# KiCad board e-tkt.kicad_pcb (continued)
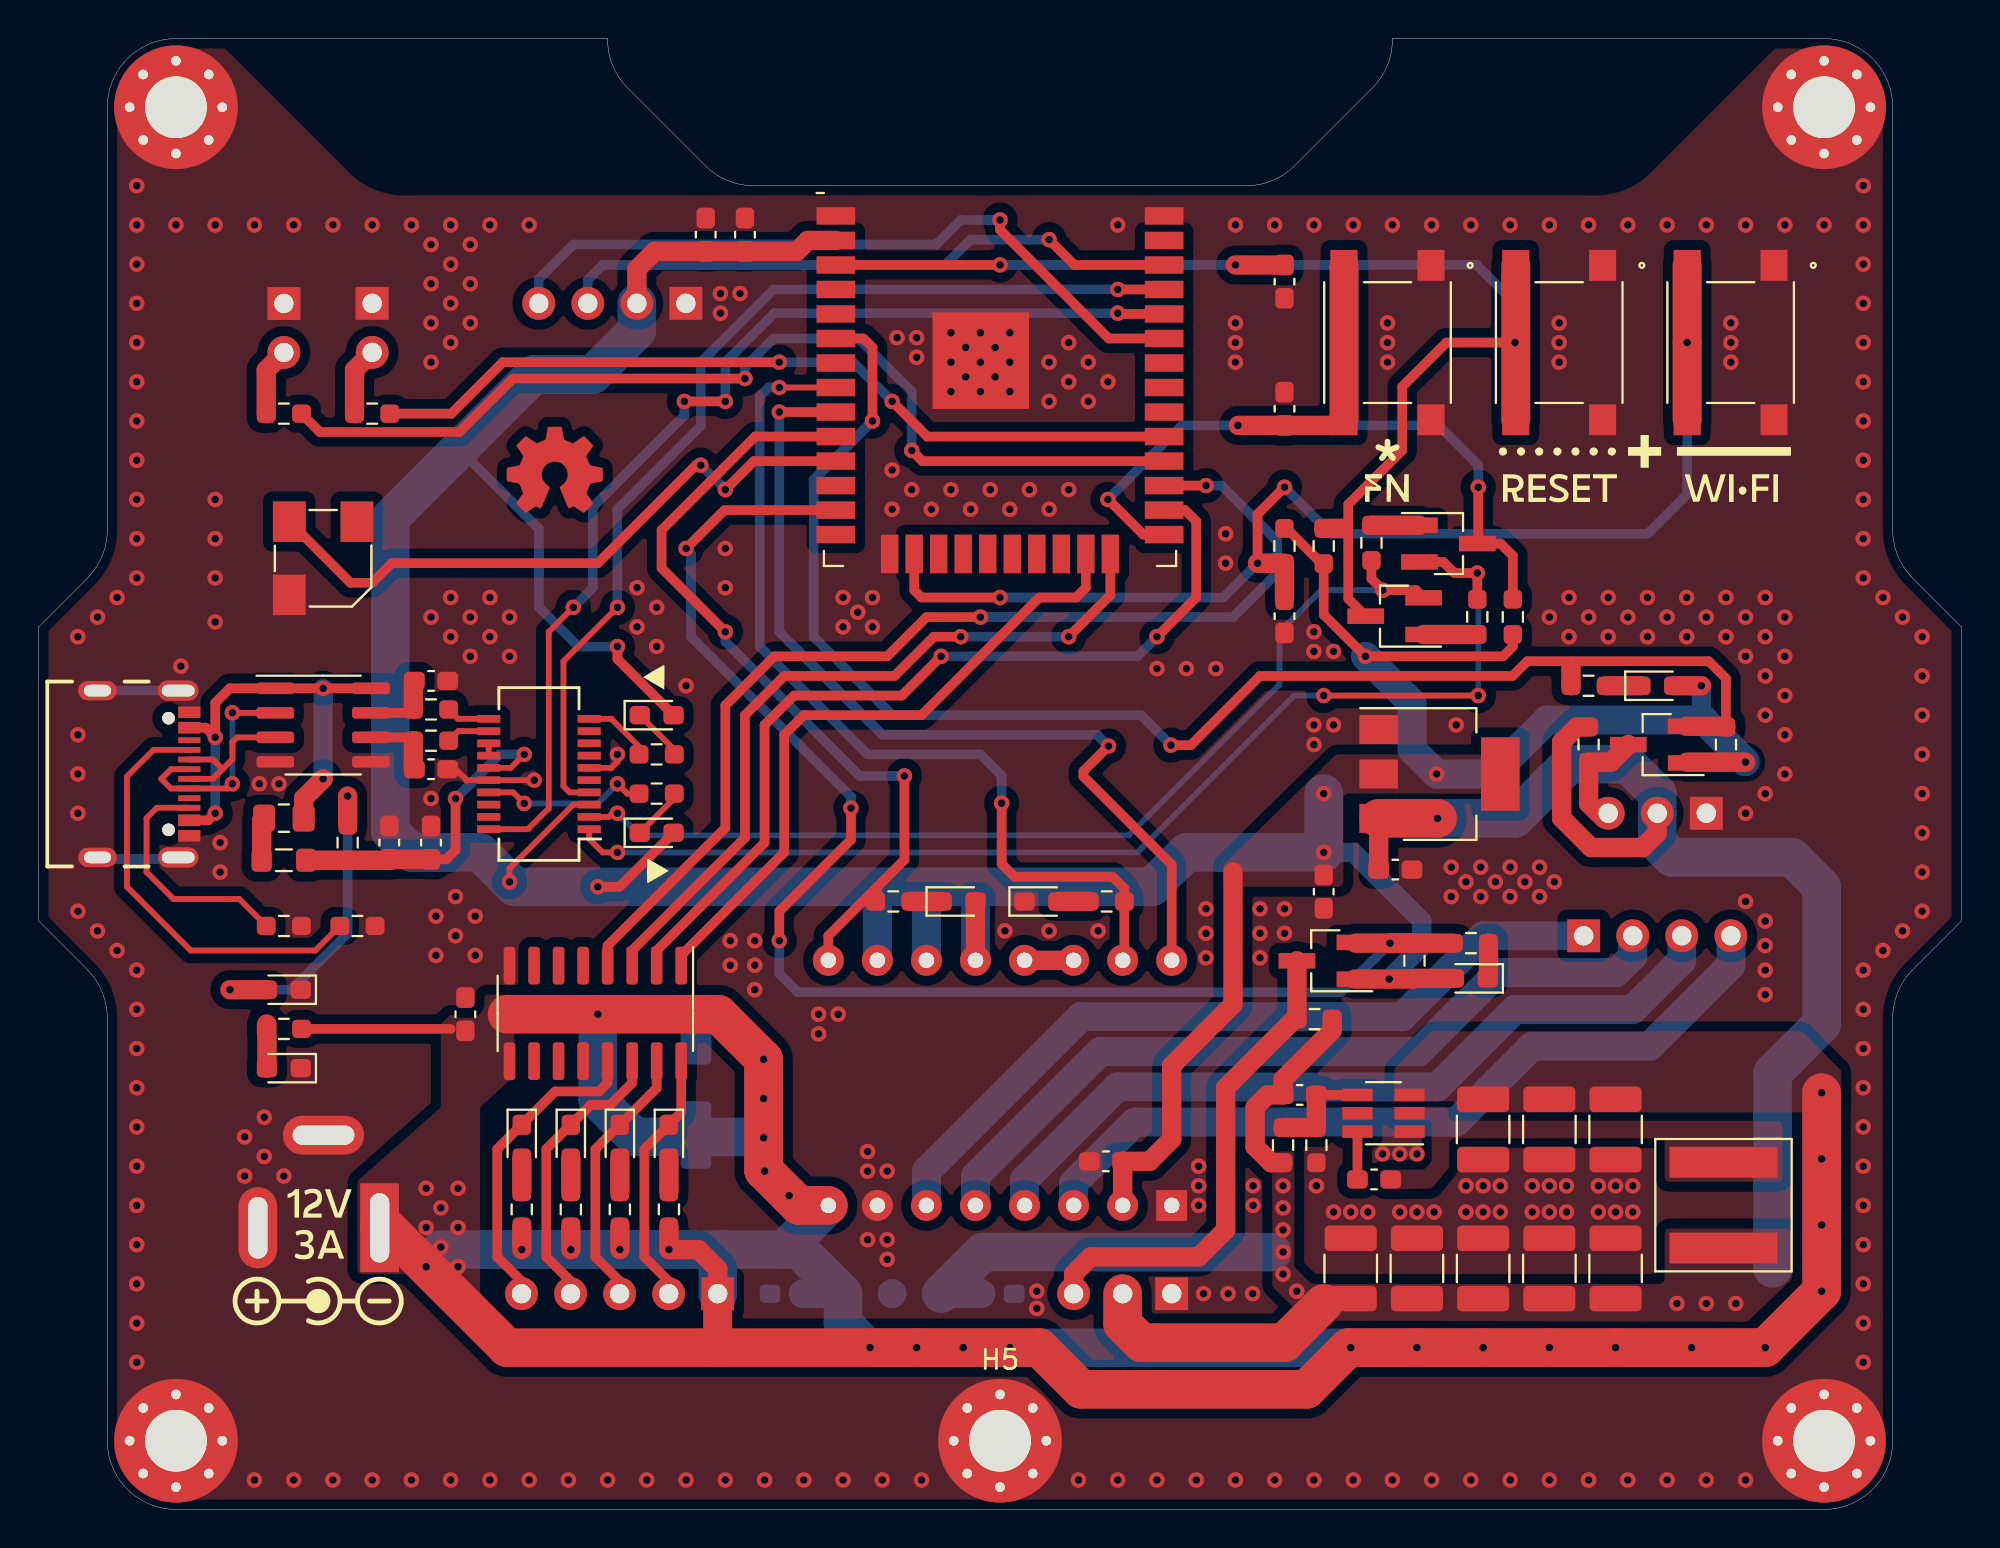
[diagram p0: board, top side]
## Footprints (pads in the part's own frame, mm; a bottom-side part is the same pattern mirrored in y, then rotated)
B3FS-1000
  rect 1.6x1.4 smd: 1(-4,2.25) 2(4,2.25) 3(-4,-2.25) 4(4,-2.25)
BarrelJack_GCT_DCJ200-10-A_Horizontal
  rect 4.6x2 hole 3.6x1: 1(0,0)
  oval 4.2x2 hole 3.2x1: 2(0,-6.3)
  oval 2x4.2 hole 1x3.2: 3(4.8,-2.9)
C_0603_1608Metric_Pad1.08x0.95mm_HandSolder
  rrect 1.075x0.95 smd: 1(-0.863,0) 2(0.863,0)
C_1210_3225Metric_Pad1.33x2.70mm_HandSolder
  rrect 1.325x2.7 smd: 1(-1.562,0) 2(1.562,0)
CP_Elec_6.3x7.7
  rrect 3.5x1.6 smd: 1(-2.7,0) 2(2.7,0)
CUI_CSS-0575A-SMT
  rect 2.1x1.7 smd: (-1.9,1.75) 1(-1.9,-1.75) 2(1.9,-1.75)
ESP32-WROOM-32
  rect 2x0.9 smd: 1(-8.5,8.255) 2(-8.5,6.985) 3(-8.5,5.715) 4(-8.5,4.445) 5(-8.5,3.175) 6(-8.5,1.905) 7(-8.5,0.635) 8(-8.5,-0.635) 9(-8.5,-1.905) 10(-8.5,-3.175) 11(-8.5,-4.445) 12(-8.5,-5.715) 13(-8.5,-6.985) 14(-8.5,-8.255) 25(8.5,-8.255) 26(8.5,-6.985) 27(8.5,-5.715) 28(8.5,-4.445) 29(8.5,-3.175) 30(8.5,-1.905) 31(8.5,-0.635) 32(8.5,0.635) 33(8.5,1.905) 34(8.5,3.175) 35(8.5,4.445) 36(8.5,5.715) 37(8.5,6.985) 38(8.5,8.255)
  rect 0.9x2 smd: 15(-5.715,-9.255) 16(-4.445,-9.255) 17(-3.175,-9.255) 18(-1.905,-9.255) 19(-0.635,-9.255) 20(0.635,-9.255) 21(1.905,-9.255) 22(3.175,-9.255) 23(4.445,-9.255) 24(5.715,-9.255)
  rect 5x5 smd: 39(-1,0.755)
Fuse_0805_2012Metric_Pad1.15x1.40mm_HandSolder
  rrect 1.15x1.4 smd: 1(-1.025,0) 2(1.025,0)
GCT_USB4105-GF-A
  round 0.65 hole 0.65 unplated: (-2.89,3.68) (2.89,3.68)
  rect 0.6x1.15 smd: A1_B12(-3.2,4.755) A4_B9(-2.4,4.755) B1_A12(3.2,4.755) B4_A9(2.4,4.755)
  rect 0.3x1.15 smd: A5(-1.25,4.755) A6(-0.25,4.755) A7(0.25,4.755) A8(1.25,4.755) B5(1.75,4.755) B6(0.75,4.755) B7(-0.75,4.755) B8(-1.75,4.755)
  oval 1.05x2.1 hole 0.6x1.7: S1(-4.32,4.18) S4(4.32,4.18)
  oval 1x2 hole 0.6x1.4: S2(-4.32,0) S3(4.32,0)
L_0805_2012Metric_Pad1.05x1.20mm_HandSolder
  rrect 1.05x1.2 smd: 1(-1.15,0) 2(1.15,0)
LED_0603_1608Metric_Pad1.05x0.95mm_HandSolder
  rrect 1.05x0.95 smd: 1(-0.875,0) 2(0.875,0)
MountingHole_3.2mm_M3_Pad_Via
  round 0.8 hole 0.5: 1(-2.4,0) 1(-1.697,1.697) 1(-1.697,-1.697) 1(0,2.4) 1(0,-2.4) 1(1.697,1.697) 1(1.697,-1.697) 1(2.4,0)
  round 6.4 hole 3.2: 1(0,0)
PinHeader_1x02_P2.54mm_Vertical
  rect 1.7x1.7 hole 1: 1(0,0)
  oval 1.7x1.7 hole 1: 2(0,-2.54)
PinHeader_1x03_P2.54mm_Vertical
  rect 1.7x1.7 hole 1: 1(0,0)
  oval 1.7x1.7 hole 1: 2(0,-2.54) 3(0,-5.08)
PinHeader_1x04_P2.54mm_Horizontal
  rect 1.7x1.7 hole 1: 1(0,0)
  oval 1.7x1.7 hole 1: 2(0,-2.54) 3(0,-5.08) 4(0,-7.62)
PinHeader_1x04_P2.54mm_Vertical
  rect 1.7x1.7 hole 1: 1(0,0)
  oval 1.7x1.7 hole 1: 2(0,-2.54) 3(0,-5.08) 4(0,-7.62)
PinHeader_1x05_P2.54mm_Vertical
  rect 1.7x1.7 hole 1: 1(0,0)
  oval 1.7x1.7 hole 1: 2(0,-2.54) 3(0,-5.08) 4(0,-7.62) 5(0,-10.16)
Pololu_Breakout-16_15.2x20.3mm
  rect 1.6x1.6 hole 0.8: 1(0,0)
  oval 1.6x1.6 hole 0.8: 2(0,-2.54) 3(0,-5.08) 4(0,-7.62) 5(0,-10.16) 6(0,-12.7) 7(0,-15.24) 8(0,-17.78) 9(12.7,-17.78) 10(12.7,-15.24) 11(12.7,-12.7) 12(12.7,-10.16) 13(12.7,-7.62) 14(12.7,-5.08) 15(12.7,-2.54) 16(12.7,0)
R_0603_1608Metric_Pad0.98x0.95mm_HandSolder
  rrect 0.975x0.95 smd: 1(-0.912,0) 2(0.912,0)
SOIC-8_3.9x4.9mm_P1.27mm
  rrect 1.95x0.6 smd: 1(-2.475,1.905) 2(-2.475,0.635) 3(-2.475,-0.635) 4(-2.475,-1.905) 5(2.475,-1.905) 6(2.475,-0.635) 7(2.475,0.635) 8(2.475,1.905)
SOIC-16_3.9x9.9mm_P1.27mm
  rrect 1.95x0.6 smd: 1(-2.475,4.445) 2(-2.475,3.175) 3(-2.475,1.905) 4(-2.475,0.635) 5(-2.475,-0.635) 6(-2.475,-1.905) 7(-2.475,-3.175) 8(-2.475,-4.445) 9(2.475,-4.445) 10(2.475,-3.175) 11(2.475,-1.905) 12(2.475,-0.635) 13(2.475,0.635) 14(2.475,1.905) 15(2.475,3.175) 16(2.475,4.445)
SOT-23-6_Handsoldering
  rect 1.56x0.65 smd: 1(-1.35,0.95) 2(-1.35,0) 3(-1.35,-0.95) 4(1.35,-0.95) 5(1.35,0) 6(1.35,0.95)
SOT-23_Handsoldering
  rect 1.9x0.8 smd: 1(-1.5,0.95) 2(-1.5,-0.95) 3(1.5,0)
SOT-223
  rect 2x1.5 smd: 1(-3.15,2.3) 2(-3.15,0) 3(-3.15,-2.3)
  rect 2x3.8 smd: 4(3.15,0)
SRP6060FA-4R7M
  rect 1.6x5.588 smd: 1(-2.223,0) 2(2.223,0)
SSOP-20_3.9x8.7mm_P0.635mm
  rect 1.2x0.4 smd: 1(-2.6,2.857) 2(-2.6,2.223) 3(-2.6,1.587) 4(-2.6,0.953) 5(-2.6,0.318) 6(-2.6,-0.318) 7(-2.6,-0.953) 8(-2.6,-1.587) 9(-2.6,-2.223) 10(-2.6,-2.857) 11(2.6,-2.857) 12(2.6,-2.223) 13(2.6,-1.587) 14(2.6,-0.953) 15(2.6,-0.318) 16(2.6,0.318) 17(2.6,0.953) 18(2.6,1.587) 19(2.6,2.223) 20(2.6,2.857)
TestPoint_Pad_D1.5mm
  round 1.5 smd: 1(0,0)

## Nets
+3.3V: A_NEMA1.2 A_NEMA1.10 A_NEMA1.11 A_NEMA1.12 C_MCU1.1 C_MCU2.2 C_NEMA2.2 C_POW2.1 D_HALL1.2 D_NEMA1.2 D_RX1.2 D_SERVO1.2 D_TX1.2 J_OLED1.2 Q_HALL1.1 Q_SERVO1.1 R_DFU1.1 R_ENA1.2 R_HALL2.2 R_SERVO2.2 R_WIFI1.2 U_MCU1.2 U_POW2.2 U_POW2.4 U_SER1.3
+6V: C_ALT6V_2.1 C_POW1.1 C_POW_6V_FF1.1 C_POW_OUT1.1 C_POW_OUT2.1 C_POW_OUT3.1 C_POW_OUT4.1 C_POW_OUT5.1 J_6v_ALT6V1.1 J_HALL1.2 J_SERVO1.2 L1.2 R_HALL1.2 R_POW_FBT1.2 R_SERVO1.2 U_POW2.3
+12V: A_NEMA1.8 C_ALT6V_1.2 C_NEMA1.1 C_POW_IN1.1 C_POW_IN2.1 C_POW_IN3.1 C_STP1.2 J_12v_ALT6V1.1 J_28byj-48-12v_1.1 J_POW1.1 R_POW6.1 R_STP1.1 R_STP2.1 R_STP3.1 R_STP4.1 U_POW1.3 U_STP1.9
GNDREF: A_NEMA1.1 A_NEMA1.7 C_ALT6V_1.1 C_ALT6V_2.2 C_DFU1.1 C_ENA1.1 C_MCU1.2 C_MCU2.1 C_NEMA1.2 C_NEMA2.1 C_POW1.2 C_POW2.2 C_POW_IN1.2 C_POW_IN2.2 C_POW_IN3.2 C_POW_OUT1.2 C_POW_OUT2.2 C_POW_OUT3.2 C_POW_OUT4.2 C_POW_OUT5.2 C_SER2.1 C_SER3.1 C_SER4.2 C_SER5.1 C_STP1.1 C_WIFI1.1 D_NEMA2.1 D_POW2.1 D_USB1.1 H1.1 H2.1 H3.1 H4.1 H5.1 J_GND_ALT6V1.1 J_HALL1.1 J_LEDE1.1 J_LEDP1.1 J_OLED1.1 J_POW1.2 J_POW1.3 J_SERVO1.1 J_USB1.A1_B12 J_USB1.B1_A12 J_USB1.S1 J_USB1.S2 J_USB1.S3 J_USB1.S4 LS1.2 R_POW_FFB1.1 R_USB1.1 R_USB2.1 SW_DFU1.1 SW_DFU1.2 SW_ENA1.1 SW_ENA1.2 SW_WIFI1.1 SW_WIFI1.2 U_MCU1.1 U_MCU1.15 U_MCU1.38 U_MCU1.39 U_POW1.1 U_POW2.1 U_SER1.6 U_SER1.16 U_STP1.8 U_USB1.4 U_USB1.5
VBUS: C_SER4.1 C_SER5.2 FB_USB1.2 R_USB3.2 U_SER1.15
/MCU/IO26 BUZZER OUT: LS1.1 U_MCU1.11
/USB-C 2.0/USBD1+: J_USB1.A6 J_USB1.B6 U_USB1.2
/USB-C 2.0/USBD1-: J_USB1.A7 J_USB1.B7 U_USB1.3
D+: C_SER3.2 R_SER2.2 U_USB1.7
D-: C_SER2.2 R_SER1.2 U_USB1.6
DTR: Q_AUTO2.2 R_AUTO1.1 U_SER1.1
EN: C_ENA1.2 Q_AUTO1.3 R_ENA1.1 SW_ENA1.3 SW_ENA1.4 U_MCU1.3
HALL: J_HALL1.3 Q_HALL1.3 R_HALL1.1
IO0 DFU: C_DFU1.2 Q_AUTO2.3 R_DFU1.2 SW_DFU1.3 SW_DFU1.4 U_MCU1.25
IO1 TXD: U_MCU1.35 U_SER1.4
IO2 ULN 3: U_MCU1.24 U_STP1.3
IO3 RXD: U_MCU1.34 U_SER1.20
IO4 ULN 2: U_MCU1.26 U_STP1.2
IO5 LED END: R_LEDE1.1 U_MCU1.29
IO13 WIFI RST: C_WIFI1.2 R_WIFI1.1 SW_WIFI1.3 SW_WIFI1.4 U_MCU1.16
IO14 SERVO: Q_SERVO1.2 R_SERVO2.1 R_SERVO3.1 U_MCU1.13
IO15 ULN 1: U_MCU1.23 U_STP1.1
IO16 ULN 4: U_MCU1.27 U_STP1.4
IO17 LED PRESS: R_LEDP1.1 U_MCU1.28
IO21 OLED SDA: J_OLED1.4 U_MCU1.33
IO22 OLED SCL: J_OLED1.3 U_MCU1.36
IO25 NEMA ENA: A_NEMA1.9 R_NEMA1.1 U_MCU1.10
IO32 NEMA STEP: A_NEMA1.15 R_NEMA2.2 U_MCU1.8
IO33 NEMA DIR: A_NEMA1.16 U_MCU1.9
IO34 HALL: Q_HALL1.2 R_HALL2.1 R_HALL3.1 U_MCU1.6
RTS: Q_AUTO1.2 R_AUTO2.1 U_SER1.2
SERVO: J_SERVO1.3 Q_SERVO1.3 R_SERVO1.1
Net-(A_NEMA1-Pad3): A_NEMA1.3 J_NEMA1.4
Net-(A_NEMA1-Pad4): A_NEMA1.4 J_NEMA1.3
Net-(A_NEMA1-Pad5): A_NEMA1.5 J_NEMA1.2
Net-(A_NEMA1-Pad6): A_NEMA1.6 J_NEMA1.1
Net-(A_NEMA1-Pad13): A_NEMA1.13 A_NEMA1.14
Net-(C_POW_6V_FF1-Pad2): C_POW_6V_FF1.2 R_POW_FBT1.1 R_POW_FFB1.2 U_POW1.4
Net-(C_POW_BST1-Pad1): C_POW_BST1.1 U_POW1.6
Net-(C_POW_BST1-Pad2): C_POW_BST1.2 L1.1 U_POW1.2
Net-(D_HALL1-Pad1): D_HALL1.1 R_HALL3.2
Net-(D_NEMA1-Pad1): D_NEMA1.1 R_NEMA1.2
Net-(D_NEMA2-Pad2): D_NEMA2.2 R_NEMA2.1
Net-(D_POW2-Pad2): D_POW2.2 R_POW6.2
Net-(D_RX1-Pad1): D_RX1.1 R_RX1.1
Net-(D_SERVO1-Pad1): D_SERVO1.1 R_SERVO3.2
Net-(D_STP1-Pad1): D_STP1.1 J_28byj-48-12v_1.2 U_STP1.16
Net-(D_STP1-Pad2): D_STP1.2 R_STP1.2
Net-(D_STP2-Pad1): D_STP2.1 J_28byj-48-12v_1.3 U_STP1.15
Net-(D_STP2-Pad2): D_STP2.2 R_STP2.2
Net-(D_STP3-Pad1): D_STP3.1 J_28byj-48-12v_1.4 U_STP1.14
Net-(D_STP3-Pad2): D_STP3.2 R_STP3.2
Net-(D_STP4-Pad1): D_STP4.1 J_28byj-48-12v_1.5 U_STP1.13
Net-(D_STP4-Pad2): D_STP4.2 R_STP4.2
Net-(D_TX1-Pad1): D_TX1.1 R_TX1.1
Net-(D_USB1-Pad2): D_USB1.2 R_USB3.1
Net-(F_USB1-Pad1): F_USB1.1 J_USB1.A4_B9 J_USB1.B4_A9 U_USB1.1 U_USB1.8
Net-(FB_USB1-Pad1): F_USB1.2 FB_USB1.1
Net-(J_LEDE1-Pad2): J_LEDE1.2 R_LEDE1.2
Net-(J_LEDP1-Pad2): J_LEDP1.2 R_LEDP1.2
Net-(J_USB1-PadA5): J_USB1.A5 R_USB1.2
Net-(J_USB1-PadB5): J_USB1.B5 R_USB2.2
Net-(Q_AUTO1-Pad1): Q_AUTO1.1 R_AUTO1.2
Net-(Q_AUTO2-Pad1): Q_AUTO2.1 R_AUTO2.2
Net-(R_RX1-Pad2): R_RX1.2 U_SER1.17
Net-(R_SER1-Pad1): R_SER1.1 U_SER1.12
Net-(R_SER2-Pad1): R_SER2.1 U_SER1.11
Net-(R_TX1-Pad2): R_TX1.2 U_SER1.10
Net-(U_SER1-Pad13): U_SER1.13 U_SER1.14

Pads without a net: J_USB1 A8 B8; U_MCU1 4 5 7 12 14 17 18 19 20 21 22 30 31 32 37; U_POW1 5; U_SER1 5 7 8 9 18 19; U_STP1 5 6 7 10 11 12

## Via types
v1: diameter 0.8, hole 0.4, Top to Bottom, 464 vias

## Routing (per net, layer and track width the routed paths; a pad name or vN(x,y) marks a point on that pad's centre or on a via; arc(x,y) is an arc through that point)
+3.3V: length 231.2
  Top w0.3: U_SER1.3 27.69,36.51 24.38,33.21 v1(24.38,32.51)
  Top w0.5: D_RX1.2 30.09,32.26 v1(28.96,32.26) 29.72,32.26 ; D_TX1.2 29.97,44.06 v1(29.97,44.7) ; R_WIFI1.2 64.62,50.82 66.44,49 R_ENA1.2 66.55,46.36 v1(68.71,44.2) 75.83,44.2 76.34,44.7 R_DFU1.1 ; 85.36,38.71 Q_HALL1.1
  Top w1: 85.36,38.71 R_HALL2.2 v1(88.39,38.71) ; A_NEMA1.2 C_NEMA2.2 57.53,18.03 58.67,19.18 58.67,22.99 61.85,26.16 61.85,33.02 ; J_OLED1.2 30.98,64.25 31.9,65.18 39.27,65.18 39.84,65.74 U_MCU1.2 ; D_SERVO1.2 R_SERVO2.2 ; D_NEMA1.2 A_NEMA1.12 ; Q_SERVO1.1 71.21,27.47 ; D_HALL1.2 v1(86.11,42.67)
  Bottom w0.5: v1(29.97,44.7) 27.94,44.7 25.91,46.74 25.91,50.8 21.84,54.86 ; 86.11,41.02 86.23,40.89
  Bottom w1: v1(86.11,42.67) 86.11,41.02 ; v1(66.55,34.04) 68.07,34.04 71.63,30.48 71.63,29.17 v1(69.93,27.47)
  Bottom w1.5: A_NEMA1.11 45.97,32.26 ; v1(68.71,44.2) 71.12,41.78 71.12,39.37 v1(72.39,38.1) 75.31,38.1 78.1,40.89 86.23,40.89 86.23,40.87 88.37,38.74 ; A_NEMA1.12 48.51,32.26 ; A_NEMA1.10 43.43,32.26
  Bottom w2: v1(66.55,37.08) v1(66.55,34.04) 59.44,34.04 57.66,32.26 24.64,32.26 v1(24.38,32.51) 22.86,34.04 19.3,34.04 18.21,35.13 18.21,51.36 25.65,58.8 28.7,58.8 30.98,61.08 J_OLED1.2
+6V: length 108.1
  Top w1: J_HALL1.2 83.82,35.05 83.06,34.29 80.39,34.29 78.87,35.81 78.87,39.75 79.65,40.54 R_HALL1.2 ; R_POW_FBT1.2 63.83,17.96 62.99,18.8 62.99,20.83 63.64,21.47 C_POW_6V_FF1.1 64.44,22.28 66.99,24.82 R_SERVO1.2 ; U_POW2.3 C_POW1.1
  Top w2: U_POW2.3 v1(72.44,35.8) ; 64.52,8.64 57.11,8.64 56.13,9.62 J_SERVO1.2 ; 66.53,10.67 64.5,8.64
  Bottom w1.5: C_ALT6V_2.1 J_6v_ALT6V1.1
  Bottom w2: v1(72.44,35.8) 76.44,35.8 79.25,38.61 82.3,38.61 83.82,37.08 J_HALL1.2 83.82,34.54 84.58,33.78 90.81,33.78 92.33,32.26 92.33,25.15 89.79,22.61 89.79,12.48 ; J_6v_ALT6V1.1 48.9,13.34 63.88,13.34
  vias: v1(64.44,16.76) v1(64.44,15.62) v1(64.44,14.48) v1(64.44,13.34) v1(64.44,12.19) v1(65.15,11.3) v1(84.84,10.67) v1(86.36,10.67) v1(87.88,10.67)
+12V: length 251.2
  Top w0.5: R_POW6.1 21.34,24.89
  Top w1: J_28byj-48-12v_1.1 35.16,12.46 34.16,13.46 v1(32.64,13.46) R_STP1.1 ; R_STP2.1 v1(30.1,13.46) ; R_STP3.1 v1(27.56,13.46) ; R_STP4.1 v1(25.02,13.46)
  Top w1.5: 35.16,8.4 J_28byj-48-12v_1.1
  Top w2: 35.18,8.38 35.16,8.4 ; v1(92.33,21.59) v1(92.33,11.3) v1(89.41,8.38) v1(81.66,8.38) v1(78.23,8.38) v1(74.8,8.38) v1(71.37,8.38) 67.82,8.38 65.66,6.22 53.97,6.22 51.82,8.38 v1(45.47,8.38) v1(43.05,8.38) 24.26,8.38 18.05,14.59 J_POW1.1 ; A_NEMA1.8 39.37,15.75 v1(38.86,16.26) v1(37.59,17.53) 37.54,17.58 v1(37.54,23.32) 35.2,25.65 24.26,25.65
  Bottom w1.5: C_ALT6V_1.2 J_12v_ALT6V1.1
  Bottom w2: 35.31,13.46 39.37,13.46 J_12v_ALT6V1.1 41.66,9.65 42.93,8.38 v1(89.41,8.38) v1(92.33,11.3) v1(92.33,21.59) ; 35.31,13.46 35.16,13.32 J_28byj-48-12v_1.1 ; 35.31,13.46 20.83,13.46 ; 37.34,19.3 37.33,19.3 30.87,19.3 28.96,21.21 v1(28.96,25.65) ; 38.61,13.46 A_NEMA1.8 39.37,15.75 v1(38.86,16.26) 37.54,17.58 v1(37.54,19.25) v1(37.54,21.29) v1(37.54,23.32)
  vias: v1(20.07,16.64) v1(20.07,14.61) v1(20.07,12.57) v1(20.83,15.62) v1(20.83,13.59) v1(21.72,16.64) v1(21.72,14.61) v1(21.72,12.57) v1(47.88,8.38) v1(50.29,8.38) v1(67.94,8.38) v1(85.6,8.38) v1(92.33,18.16) v1(92.33,14.73)
GNDREF: length 15.1
  Top w0.3: v1(25.67,37.78) U_SER1.16 22.16,37.78 21.6,38.35 C_SER2.1 ; v1(29.97,39.12) 29.97,38.74 29.65,38.42 U_SER1.6
  Bottom w0.5: J_USB1.S4 7.15,33.7 3.13,33.7 J_USB1.S3 ; J_USB1.S1 J_USB1.S2
  vias: v1(2.03,45.21) v1(2.03,40.13) v1(2.03,38.1) v1(2.03,36.07) v1(2.03,30.99) v1(3.05,46.23) v1(3.05,29.97) v1(4.06,47.24) v1(4.06,28.96) v1(5.08,68.58) v1(5.08,66.55) v1(5.08,64.52) v1(5.08,62.48) v1(5.08,60.45) v1(5.08,58.42) v1(5.08,56.39) v1(5.08,54.36) v1(5.08,52.32) v1(5.08,50.29) v1(5.08,48.26) v1(5.08,27.94) v1(5.08,25.91) v1(5.08,23.88) v1(5.08,21.84) v1(5.08,19.81) v1(5.08,17.78) v1(5.08,15.75) v1(5.08,13.72) v1(5.08,11.68) v1(5.08,9.65) v1(5.08,7.62) v1(7.11,66.55) v1(7.37,43.69) v1(9.14,66.55) v1(9.14,52.32) v1(9.14,50.29) v1(9.14,48.26) v1(9.14,45.97) v1(9.4,34.54) v1(9.4,33.02) v1(10.67,19.3) v1(10.67,17.27) v1(11.18,66.55) v1(11.18,1.52) v1(11.43,37.59) v1(11.68,20.32) v1(11.68,18.29) v1(12.45,37.59) v1(12.7,17.27) v1(13.21,66.55) v1(13.21,1.52) v1(15.24,66.55) v1(15.24,1.52) v1(17.27,66.55) v1(17.27,1.52) v1(19.3,66.55) v1(19.3,1.52) v1(20.32,65.53) v1(20.32,63.5) v1(20.32,61.47) v1(20.32,59.44) v1(20.32,46.23) v1(20.32,36.83) v1(20.57,30.73) v1(20.57,28.7) v1(21.34,66.55) v1(21.34,64.52) v1(21.34,62.48) v1(21.34,60.45) v1(21.34,47.24) v1(21.34,45.21) v1(21.34,1.52) v1(21.59,31.75) v1(21.59,29.72) v1(22.35,65.53) v1(22.35,63.5) v1(22.35,61.47) v1(22.35,46.23) v1(22.35,44.2) v1(22.61,30.73) v1(22.61,28.7) v1(23.37,66.55) v1(23.37,47.24) v1(23.37,45.21) v1(23.37,1.52) v1(24.38,46.23) v1(24.38,44.2) v1(25.4,66.55) v1(25.4,1.52) v1(27.43,1.52) v1(29.46,1.52) v1(30.99,47.75) v1(30.99,45.72) v1(31.5,1.52) v1(32,46.74) v1(32,44.7) v1(33.53,42.67) v1(33.53,1.52) v1(35.31,62.99) v1(35.31,61.98) v1(35.56,49.78) v1(35.56,47.75) v1(35.56,1.52) v1(35.81,29.46) v1(35.81,28.19) v1(36.32,62.99) v1(37.08,29.46) v1(37.08,28.19) v1(37.08,26.92) v1(37.59,1.52) v1(39.62,1.52) v1(40.39,25.65) v1(40.39,24.64) v1(41.4,25.65) v1(41.66,47.24) v1(41.66,45.72) v1(41.66,1.52) v1(42.42,46.48) v1(42.93,18.54) v1(42.93,17.53) v1(42.93,13.97) v1(43.18,47.24) v1(43.18,45.72) v1(43.69,1.52) v1(43.94,17.53) v1(43.94,13.97) v1(43.94,12.95) v1(44.2,53.85) v1(44.2,51.82) v1(44.45,60.71) v1(45.21,52.83) v1(45.47,60.71) v1(45.47,59.69) v1(45.72,1.52) v1(46.23,51.82) v1(47.24,60.96) v1(47.24,59.44) v1(47.24,57.91) v1(47.24,52.83) v1(48.01,60.2) v1(48.01,58.67) v1(48.26,51.82) v1(48.77,60.96) v1(48.77,59.44) v1(48.77,57.91) v1(49.28,52.83) v1(49.53,60.2) v1(49.53,58.67) v1(50.04,29.97) v1(50.29,60.96) v1(50.29,59.44) v1(50.29,57.91) v1(50.29,51.82) v1(51.31,52.83) v1(51.69,11.3) v1(51.69,10.41) v1(52.32,59.44) v1(52.32,57.4) v1(52.32,51.82) v1(52.32,29.97) v1(53.34,60.45) v1(53.34,58.42) v1(53.34,52.83) v1(53.85,1.52) v1(54.36,59.44) v1(54.36,57.4) v1(54.86,29.97) v1(55.37,58.42) v1(55.88,66.55) v1(55.88,1.52) v1(57.91,43.56) v1(57.91,1.52) v1(59.44,43.56) v1(59.94,1.52) v1(60.07,17.78) v1(60.07,16.76) v1(60.07,15.75) v1(60.32,11.18) v1(60.45,31.12) v1(60.45,29.85) v1(60.45,28.58) v1(60.96,43.56) v1(61.47,50.55) v1(61.47,49.02) v1(61.59,11.18) v1(61.98,66.55) v1(61.98,61.47) v1(61.98,60.45) v1(61.98,59.44) v1(61.98,1.52) v1(62.89,16.76) v1(62.89,15.75) v1(62.87,11.18) v1(63.25,31.12) v1(63.25,29.85) v1(63.25,28.58) v1(64.01,66.55) v1(64.01,1.52) v1(64.52,31.12) v1(64.52,29.85) v1(66.04,66.55) v1(66.04,45.47) v1(66.04,44.45) v1(66.04,40.64) v1(66.04,39.62) v1(66.04,1.52) v1(66.17,16.76) v1(67.06,44.45) v1(67.06,40.64) v1(67.06,15.41) v1(67.94,15.41) v1(68.07,66.55) v1(68.07,1.52) v1(68.83,15.41) v1(69.6,18.42) v1(69.85,61.47) v1(69.85,60.45) v1(69.85,59.44) v1(70.1,66.55) v1(70.1,1.52) v1(70.48,18.42) v1(70.48,15.41) v1(71.37,18.42) v1(71.37,15.41) v1(72.14,66.55) v1(72.14,1.52) v1(72.26,15.41) v1(73.15,33.27) v1(73.15,31.75) v1(73.41,40.64) v1(73.91,32.51) v1(73.91,16.76) v1(73.91,15.41) v1(74.17,66.55) v1(74.17,1.52) v1(74.68,33.27) v1(74.68,31.75) v1(74.8,16.76) v1(74.8,15.41) v1(75.44,32.51) v1(75.69,16.76) v1(75.69,15.41) v1(76.2,66.55) v1(76.2,33.27) v1(76.2,31.75) v1(76.2,1.52) v1(76.96,32.51) v1(77.34,16.76) v1(77.34,15.41) v1(77.72,33.27) v1(77.72,31.75) v1(78.23,66.55) v1(78.23,46.23) v1(78.23,16.76) v1(78.23,15.41) v1(78.23,1.52) v1(78.49,32.51) v1(78.74,61.47) v1(78.74,60.45) v1(78.74,59.44) v1(79.12,16.76) v1(79.12,15.41) v1(79.25,47.24) v1(79.25,45.21) v1(80.26,66.55) v1(80.26,46.23) v1(80.26,1.52) v1(80.77,16.76) v1(80.77,15.41) v1(81.28,47.24) v1(81.28,45.21) v1(81.66,16.76) v1(81.66,15.41) v1(82.3,66.55) v1(82.3,46.23) v1(82.3,1.52) v1(82.55,16.76) v1(82.55,15.41) v1(83.31,47.24) v1(83.31,45.21) v1(84.33,66.55) v1(84.33,46.23) v1(84.33,1.52) v1(85.34,47.24) v1(85.34,45.21) v1(86.36,66.55) v1(86.36,46.23) v1(86.36,1.52) v1(87.38,47.24) v1(87.38,45.21) v1(87.63,61.47) v1(87.63,60.45) v1(87.63,59.44) v1(88.39,66.55) v1(88.39,46.23) v1(88.39,44.2) v1(88.39,36.07) v1(88.39,31.5) v1(88.39,1.52) v1(89.41,47.24) v1(89.41,45.21) v1(89.41,43.18) v1(89.41,41.15) v1(89.41,37.08) v1(89.41,30.48) v1(89.41,29.21) v1(89.41,27.94) v1(89.41,26.67) v1(90.42,66.55) v1(90.42,46.23) v1(90.42,44.2) v1(90.42,42.16) v1(90.42,40.13) v1(90.42,38.1) v1(92.46,66.55) v1(94.49,68.58) v1(94.49,66.55) v1(94.49,64.52) v1(94.49,62.48) v1(94.49,60.45) v1(94.49,58.42) v1(94.49,56.39) v1(94.49,54.36) v1(94.49,52.32) v1(94.49,50.29) v1(94.49,48.26) v1(94.49,27.94) v1(94.49,25.91) v1(94.49,23.88) v1(94.49,21.84) v1(94.49,19.81) v1(94.49,17.78) v1(94.49,15.75) v1(94.49,13.72) v1(94.49,11.68) v1(94.49,9.65) v1(94.49,7.62) v1(95.5,47.24) v1(95.5,28.96) v1(96.52,46.23) v1(96.52,29.97) v1(97.54,45.21) v1(97.54,43.18) v1(97.54,41.15) v1(97.54,39.12) v1(97.54,37.08) v1(97.54,35.05) v1(97.54,33.02) v1(97.54,30.99)
VBUS: length 17.3
  Top w0.3: v1(25.15,39.12) 24.45,38.42 U_SER1.15
  Top w0.5: v1(21.59,36.83) 21.59,34.16 21.11,33.68 C_SER4.1 ; 18.24,33.63 18.29,33.68
  Top w1: FB_USB1.2 18.24,33.63 ; 18.29,33.68 C_SER4.1
  Bottom w0.5: v1(25.15,39.12) 23.88,39.12 v1(21.59,36.83)
/MCU/IO26 BUZZER OUT: length 33.3
  Top w0.5: LS1.1 16.15,48.01 17.27,48.01 18.29,49.02 28.96,49.02 34.04,54.1 v1(34.29,54.1) ; v1(35.56,52.83) 37.04,54.31 U_MCU1.11
  Bottom w0.5: v1(34.29,54.1) v1(35.56,52.83)
/USB-C 2.0/USBD1+: length 11.6
  Top w0.3: v1(10.03,37.59) 9.79,37.35 J_USB1.B6 6.85,37.35 6.35,37.85 6.85,38.35 J_USB1.A6 ; U_USB1.2 10.04,41.27 v1(10.03,41.28)
  Bottom w0.3: v1(10.03,37.59) v1(10.03,41.28)
/USB-C 2.0/USBD1-: length 7.1
  Top w0.3: 9.53,38.35 10.03,38.86 10.03,39.75 10.28,40 11.55,40 ; 9.53,38.35 9.02,37.85 J_USB1.A7 ; 9.53,38.35 9.03,38.85 J_USB1.B7
D+: length 3.8
  Top w0.5: U_USB1.7 19.23,41.27 R_SER2.2 ; 19.41,42.87 C_SER3.2
  Top w1: R_SER2.2 19.41,42.87
D-: length 3.8
  Top w0.5: R_SER1.2 19.23,40 U_USB1.6 ; 19.41,38.4 C_SER2.2
  Top w1: R_SER1.2 19.41,38.4
DTR: length 61
  Top w0.3: U_SER1.1 28.51,34.74 29.21,34.04 v1(29.97,34.04) ; v1(74.55,42.16) v1(66.55,42.16)
  Top w0.5: 74.5,48.45 R_AUTO1.1 ; Q_AUTO2.2 72.74,49.09 73.31,48.51 74.44,48.51
  Bottom w0.3: v1(74.5,48.51) 74.55,48.47 v1(74.55,42.16) ; v1(29.97,34.04) 56.9,34.04 65.02,42.16 v1(66.55,42.16)
EN: length 69.7
  Top w0.5: v1(49.78,64.47) 41.33,64.47 ; v1(76.45,60.45) 72.9,60.45 70.61,58.17 70.61,54.86 67.82,52.07 67.82,47.18 Q_AUTO1.3
  Top w1: R_ENA1.1 67.56,50.82 ; v1(61.98,64.47) C_ENA1.2
  Top w1.5: SW_ENA1.4 SW_ENA1.3
  Bottom w0.5: v1(49.78,64.47) 74.47,64.47 76.45,62.48 v1(76.45,60.45)
HALL: length 5.8
  Top w1: J_HALL1.3 80.77,36.07 80.26,36.58 R_HALL1.1 81.41,38.71 Q_HALL1.3
IO0 DFU: length 47.3
  Top w0.5: v1(55.37,52.32) 55.38,52.32 57.2,50.5 U_MCU1.25 ; 67.31,56.16 SW_DFU1.4 ; v1(74.55,52.96) 74.55,50.09 Q_AUTO2.3 75.71,50.04 76.34,49.4 R_DFU1.2 ; 62.13,56.16 62.1,56.13
  Top w1: 67.31,56.16 C_DFU1.2 62.13,56.16
  Top w1.5: SW_DFU1.3 SW_DFU1.4
  Bottom w0.5: v1(74.55,52.96) 74.55,54.1 72.49,56.16 59.21,56.16 v1(55.37,52.32)
  vias: v1(62.1,56.16)
IO1 TXD: length 51.9
  Top w0.3: v1(29.97,46.74) 27.18,43.94 27.18,37.47 27.5,37.15 U_SER1.4
  Top w0.5: U_MCU1.35 v1(55.88,63.2)
  Bottom w0.5: v1(55.88,63.2) 38.06,63.2 34.29,59.44 34.29,56.13 29.97,51.82 v1(29.97,46.74)
IO2 ULN 3: length 39
  Top w0.5: v1(47.75,45.21) 46.35,45.21 44.32,43.18 38.61,43.18 36.58,41.15 36.58,34.8 30.73,28.96 U_STP1.3 ; U_MCU1.24 55.5,47.37 v1(53.34,45.21)
  Bottom w0.5: v1(53.34,45.21) v1(47.75,45.21)
IO3 RXD: length 55.5
  Top w0.3: U_SER1.20 25.34,35.24 26.42,36.32 26.42,45.47 v1(27.69,46.74)
  Top w0.5: v1(55.88,61.98) 55.92,61.93 U_MCU1.34 ; v1(35.56,57.4) v1(33.44,57.4)
  Bottom w0.5: v1(35.56,57.4) 35.56,59.44 38.1,61.98 v1(55.88,61.98) ; v1(33.44,57.4) 33.44,56.68 28.7,51.94 28.7,47.75 v1(27.69,46.74)
IO4 ULN 2: length 45.7
  Top w0.5: v1(46.74,44.2) 44.7,42.16 39.12,42.16 37.59,40.64 37.59,34.54 32,28.96 U_STP1.2 ; v1(57.91,45.21) 59.94,47.24 59.94,51.19 59.36,51.77 U_MCU1.26
  Bottom w0.5: v1(46.74,44.2) 56.9,44.2 v1(57.91,45.21)
IO5 LED END: length 42.8
  Top w0.5: 58.28,55.58 46.02,55.58 v1(44.2,57.4) ; R_LEDE1.1 21.37,56.77 24.03,59.44 v1(38.35,59.44)
  Bottom w0.5: v1(38.35,59.44) 42.16,59.44 v1(44.2,57.4)
IO13 WIFI RST: length 66.9
  Top w0.5: v1(64.52,52.96) 63.12,51.56 v1(63.12,49.02) ; v1(49.78,47.24) 45.72,47.24 45.34,47.62 U_MCU1.16 ; 64.49,49.02 R_WIFI1.1
  Top w1: R_WIFI1.1 C_WIFI1.2 ; v1(63.12,49.02) 64.49,49.02
  Top w1.5: SW_WIFI1.4 v1(85.37,60.45) SW_WIFI1.3
  Bottom w0.5: v1(63.12,49.02) 61.34,47.24 v1(49.78,47.24) ; v1(85.37,60.45) 85.37,52.6 83.31,50.55 66.93,50.55 v1(64.52,52.96)
IO14 SERVO: length 76.4
  Top w0.5: v1(33.53,49.78) 35.52,51.77 U_MCU1.13 ; v1(38.35,29.46) 38.35,30.99 42.07,34.7 v1(42.07,36.34)
  Top w1: R_SERVO3.1 v1(69.98,29.34) R_SERVO2.1 68.2,29.34
  Bottom w0.5: v1(42.07,36.34) 42.07,36.93 33.78,45.21 33.78,49.53 v1(33.53,49.78) ; v1(38.35,29.46) 38.35,27.75 39.31,26.8 67.44,26.8 v1(69.98,29.34)
IO15 ULN 1: length 34.7
  Top w0.5: U_MCU1.23 54.23,47.75 53.72,47.24 51.82,47.24 45.72,41.15 39.62,41.15 38.61,40.13 38.61,34.04 33.27,28.7 U_STP1.1
IO16 ULN 4: length 56.1
  Top w0.5: v1(48.77,46.23) 45.97,46.23 43.94,44.2 38.1,44.2 35.56,41.66 35.56,35.31 29.46,29.21 U_STP1.4 ; U_MCU1.27 v1(60.45,53.04)
  Bottom w0.5: v1(60.45,53.04) 61.26,53.04 64.13,50.17 64.13,48.51 61.85,46.23 v1(48.77,46.23)
IO17 LED PRESS: length 51.8
  Top w0.5: v1(36.58,58.59) 24.55,58.59 21.78,55.82 14.56,55.82 R_LEDP1.1 ; v1(45.21,54.86) 45.76,54.31 U_MCU1.28
  Bottom w0.5: v1(36.58,58.59) 36.58,59.18 38.06,60.66 42.46,60.66 45.21,57.91 v1(45.21,54.86)
IO21 OLED SDA: length 37.8
  Top w0.5: U_MCU1.33 55.41,60.66 49.78,66.29 v1(49.78,66.8)
  Bottom w0.5: J_OLED1.4 25.9,63.74 27.69,65.53 46.48,65.53 47.75,66.8 v1(49.78,66.8)
IO22 OLED SCL: length 32.5
  Top w0.5: v1(52.32,65.79) 53.64,64.47 U_MCU1.36
  Bottom w0.5: v1(52.32,65.79) 48.26,65.79 46.95,64.47 29.21,64.47 28.44,63.7 J_OLED1.3
IO25 NEMA ENA: length 43
  Top w0.5: v1(35.56,45.47) 32.26,48.77 32.26,50.74 37.1,55.58 41.28,55.58 ; v1(44.84,38) 44.84,33.66 43.43,32.26 ; 43.43,32.26 43.43,31.58 R_NEMA1.1 42.67,31.5 ; 43.43,32.26 42.67,31.5 ; A_NEMA1.9 40.89,29.72 42.67,31.5
  Bottom w0.5: v1(35.56,45.47) 35.56,44.96 42.52,38 v1(44.84,38)
IO32 NEMA STEP: length 47.6
  Top w0.3: U_MCU1.8 v1(38.35,58.12)
  Top w0.5: A_NEMA1.15 56.22,28.54 56.22,32.17 55.63,32.77 50.55,32.77 49.87,33.44 v1(49.87,36.59)
  Bottom w0.5: v1(38.35,58.12) 37.8,58.12 37.34,57.66 37.34,44.7 42.93,39.12 48.77,39.12 49.87,38.02 v1(49.87,36.59)
IO33 NEMA DIR: length 47.4
  Top w0.5: v1(55.4,39.55) 54.1,38.25 54.1,37.97 58.67,33.4 A_NEMA1.16 ; v1(38.35,56.85) U_MCU1.9
  Bottom w0.5: 38.35,56.9 38.35,45.47 43.69,40.13 54.82,40.13 v1(55.4,39.55)
IO34 HALL: length 75.9
  Top w0.5: 79.35,43.69 79.35,43.92 ; v1(43.18,56.39) 43.18,60.2 42.72,60.66 U_MCU1.6 ; v1(58.64,39.6) 59.66,39.6 63.25,43.18 76.33,43.18 77.09,43.94 86.49,43.94 87.38,43.05 R_HALL2.1
  Top w1: R_HALL2.1 87.34,40.57 Q_HALL1.2 ; R_HALL3.1 79.35,43.69
  Bottom w0.5: v1(58.64,39.6) 57.08,41.15 44.2,41.15 40.13,45.21 40.13,53.34 v1(43.18,56.39)
RTS: length 52.4
  Top w0.3: v1(29.97,36.07) 29.71,36.07 29.52,35.88 U_SER1.2
  Top w0.5: 69.02,49.02 69.02,48.22 v1(69.61,47.62) 71.33,47.62 Q_AUTO1.2
  Bottom w0.3: v1(29.97,36.07) 31.12,34.93 56.45,34.93 64.26,42.74 64.26,45.47 66.42,47.62 v1(69.61,47.62)
SERVO: length 25.4
  Top w1: J_SERVO1.3 53.59,12.19 54.48,13.08 60.07,13.08 61.47,14.48 61.47,21.84 65.02,25.4 R_SERVO1.1 Q_SERVO1.3
Net-(A_NEMA1-Pad3): length 41.4
  Bottom w1.5: J_NEMA1.4 87.63,28.19 83.44,24 77.34,24 73.41,20.07 56.76,20.07 53.59,16.9 A_NEMA1.3
Net-(A_NEMA1-Pad4): length 41.3
  Bottom w1.5: J_NEMA1.3 85.09,28.45 82.55,25.91 76.45,25.91 72.44,21.89 55.87,21.89 51.05,17.08 A_NEMA1.4
Net-(A_NEMA1-Pad5): length 41.3
  Bottom w1.5: J_NEMA1.2 82.55,28.66 81.71,27.81 75.56,27.81 71.47,23.72 54.96,23.72 48.51,17.27 A_NEMA1.5
Net-(A_NEMA1-Pad6): length 40.9
  Bottom w1.5: J_NEMA1.1 74.8,29.72 70.61,25.53 53.97,25.53 45.97,17.53 A_NEMA1.6
Net-(A_NEMA1-Pad13): length 2.5
  Top w1: A_NEMA1.14 A_NEMA1.13
Net-(C_POW_6V_FF1-Pad2): length 5.5
  Top w0.5: U_POW1.4 C_POW_6V_FF1.2
  Top w1: R_POW_FBT1.1 R_POW_FFB1.2 C_POW_6V_FF1.2
Net-(C_POW_BST1-Pad1): length 2.1
  Top w0.5: U_POW1.6 68.29,17.48
Net-(D_HALL1-Pad1): length 1.8
  Top w1: R_HALL3.2 D_HALL1.1
Net-(D_NEMA1-Pad1): length 1.6
  Top w1: R_NEMA1.2 D_NEMA1.1
Net-(D_NEMA2-Pad2): length 1.6
  Top w1: D_NEMA2.2 R_NEMA2.1
Net-(D_POW2-Pad2): length 2.1
  Top w0.5: 11.81,25.15 11.79,25.15
  Top w1: D_POW2.2 11.82,24.88 ; 11.82,25.13 11.81,25.15
Net-(D_RX1-Pad1): length 2.8
  Top w0.3: R_RX1.1 32.92,36.84 D_RX1.1
Net-(D_SERVO1-Pad1): length 1.8
  Top w0.5: 75.08,27.55 D_SERVO1.1
  Top w1: R_SERVO3.2 75.08,27.55
Net-(D_STP1-Pad1): length 13.4
  Top w0.5: U_STP1.16 33.27,20.56 D_STP1.1 32.62,19.93 31.37,18.67 31.37,13.08 32.62,11.83 J_28byj-48-12v_1.2
Net-(D_STP1-Pad2): length 1.7
  Top w1: D_STP1.2 R_STP1.2
Net-(D_STP2-Pad1): length 13.9
  Top w0.5: U_STP1.15 32,21.83 D_STP2.1 30.09,19.93 28.83,18.67 28.83,13.08 30.09,11.83 J_28byj-48-12v_1.3
Net-(D_STP2-Pad2): length 1.7
  Top w1: D_STP2.2 R_STP2.2
Net-(D_STP3-Pad1): length 15
  Top w0.5: U_STP1.14 30.73,22.1 29.59,20.96 28.59,20.96 D_STP3.1 27.54,19.93 26.29,18.67 26.29,13.08 27.54,11.83 J_28byj-48-12v_1.4
Net-(D_STP3-Pad2): length 1.7
  Top w1: D_STP3.2 R_STP3.2
Net-(D_STP4-Pad1): length 16.3
  Top w0.5: J_28byj-48-12v_1.5 25,11.83 23.75,13.08 23.75,18.67 25,19.93 D_STP4.1 26.75,21.66 29.02,21.66 29.46,22.1 U_STP1.13
Net-(D_STP4-Pad2): length 1.7
  Top w1: D_STP4.2 R_STP4.2
Net-(D_TX1-Pad1): length 2.8
  Top w0.3: R_TX1.1 32.92,39.36 D_TX1.1
Net-(D_USB1-Pad2): length 17.6
  Top w1: v1(9.91,26.92) D_USB1.2 ; v1(16,36.96) R_USB3.1
  Bottom w0.5: v1(16,36.96) 16,29.85 13.08,26.92 10.16,26.92
Net-(F_USB1-Pad1): length 24.3
  Top w0.5: v1(9.14,36.07) 8.78,35.7 J_USB1.B4_A9 ; U_USB1.8 U_USB1.1 9.9,42.54 9.14,41.78 v1(9.14,40.01) 8.65,40.5 J_USB1.A4_B9
  Top w1: F_USB1.1 13.72,36.84 v1(14.73,37.85)
  Bottom w0.5: v1(9.14,36.07) v1(9.14,40.01)
  Bottom w1: v1(14.73,42.54) v1(14.73,37.85)
Net-(FB_USB1-Pad1): length 2.2
  Top w1: FB_USB1.1 11.55,35.69 11.68,35.81
Net-(J_LEDE1-Pad2): length 3.6
  Top w1: J_LEDE1.2 16.36,59.03 R_LEDE1.2
Net-(J_LEDP1-Pad2): length 3.5
  Top w1: J_LEDP1.2 11.79,59.03 R_LEDP1.2
Net-(J_USB1-PadA5): length 22.4
  Top w0.3: R_USB1.2 14.33,28.96 7.87,28.96 4.57,32.26 4.57,37.97 5.95,39.35 J_USB1.A5
Net-(J_USB1-PadB5): length 12.6
  Top w0.3: R_USB2.2 10.39,31.62 6.98,31.62 5.59,33.02 5.59,35.81 6.12,36.35 J_USB1.B5
Net-(Q_AUTO1-Pad1): length 2.5
  Top w1: 74.18,45.33 Q_AUTO1.1
Net-(Q_AUTO2-Pad1): length 2.5
  Top w1: R_AUTO2.2 Q_AUTO2.1
Net-(R_RX1-Pad2): length 8.7
  Top w0.3: U_SER1.17 24.57,37.15 v1(25.15,36.58) ; v1(29.97,37.59) 30.48,37.08 R_RX1.2
  Bottom w0.3: v1(29.97,37.59) 28.96,36.58 v1(25.15,36.58)
Net-(R_SER1-Pad1): length 2.3
  Top w0.3: R_SER1.1 21.73,40.32 U_SER1.12
Net-(R_SER2-Pad1): length 2.3
  Top w0.3: R_SER2.1 21.72,40.96 U_SER1.11
Net-(R_TX1-Pad2): length 3.6
  Top w0.3: R_TX1.2 31.09,39.52 29.65,40.96 U_SER1.10
Net-(U_SER1-Pad13): length 0.6
  Top w0.3: U_SER1.14 U_SER1.13

## Copper pours and planes (outline as drawn; the poured copper is in the pictures)
+3.3V on Top: 76.07,37.08 67.56,37.08 67.56,32.26 61.34,32.26 61.34,33.4 67.18,39.12 76.07,39.12
+6V on Top: 65.02,16.26 63.88,16.26 63.88,18.54 65.02,18.54
+6V on Top, Bottom: 63.88,11.56 63.88,17.27 65.02,17.27 65.02,12.57 65.91,11.68 84.2,11.68 84.2,14.56 90.81,14.56 90.81,11.95 88.49,9.72 65.66,9.78
+6V on In2.Cu: 99.57,0 0,0 0,76.2 9.14,76.2 17.27,68.07 82.3,68.07 90.42,76.2 99.57,76.2
+12V on Top: 24.64,26.67 24.64,22.23 24.38,22.23 22.86,20.83 22.86,9.14 19.81,12.19 16.51,12.19 16.51,17.02 20.83,20.83 20.83,25.15 22.35,26.67
+12V on Top: 70.21,22.86 72.14,24.77 91.31,24.77 93.34,22.73 93.34,20.57 73.43,20.56 73.43,21.15 70.21,21.15
+12V on Bottom: 22.86,17.02 22.86,12.19 22.35,11.81 16.13,11.81 16.13,17.4 22.35,17.4
GNDREF on Top, Bottom: 99.57,0 0,0 0,76.2 9.14,76.2 17.27,68.07 82.3,68.07 90.42,76.2 99.57,76.2
GNDREF on In1.Cu: 99.57,0 0,0 0,76.2 9.14,76.2 17.27,68.07 82.3,68.07 90.42,76.2 99.57,76.2
Net-(C_POW_BST1-Pad2) on Top: 69.47,16.59 69.47,17.6 71.75,17.6 72.14,18.03 72.14,20.19 70.23,20.19 70.23,20.85 73.03,20.85 73.03,20.14 90.3,20.13 90.3,16.97 84.2,16.97 84.2,19.23 73.05,19.23 73.05,17.73 72.14,16.61

## Text on the board
B.Mask: v1.0 | 2022/09/23
B.Silkscreen: HALL | DISPLAY | STEPPER | SERVO | NEMA | VMOT | GND | LED / PRESS | LED / END | IN | 6V | BR000010
F.Silkscreen: *
